# Allegro board A523-EVB-AXP717C-LPDDR4-4X-32X1-V1-0.brd (continued)
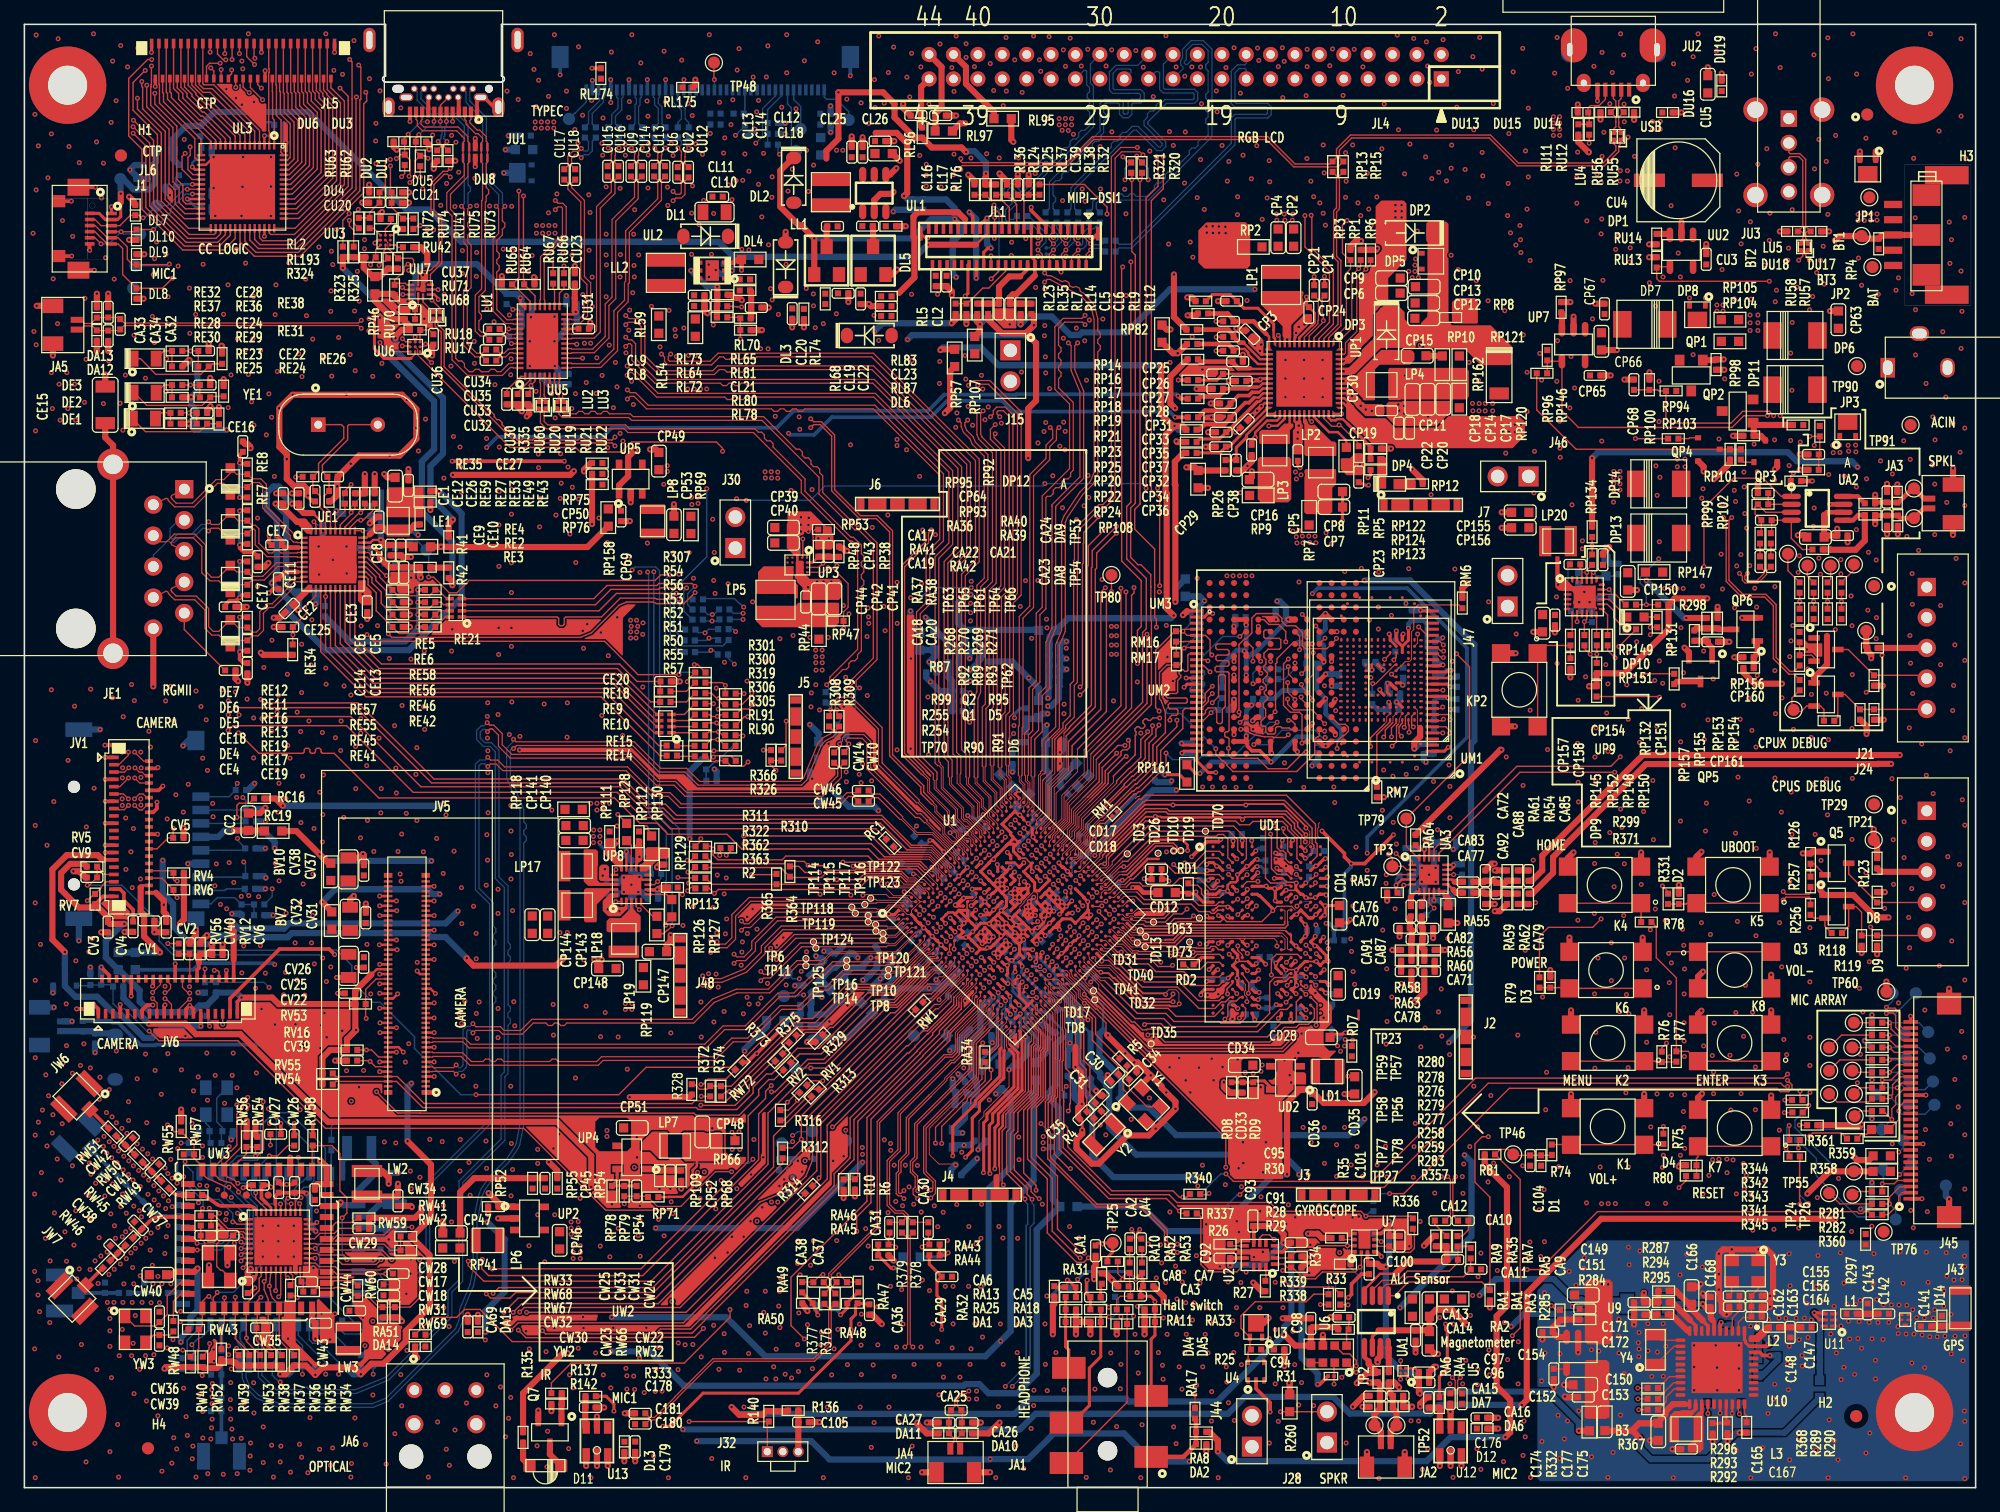
[diagram p0: board, top side]
## Routing (per net, layer and track width the routed paths; a pad name or vN(x,y) marks a point on that pad's centre or on a via; arc(x,y) is an arc through that point) (continued)
  vias: v1(0.71,102.87) v1(0.78,94.82) v1(0.84,24.08) v1(0.84,17.73) v1(0.84,11.38) v1(0.86,112.62) v1(0.91,86.66) v1(0.91,61.26) v1(0.89,54.31) v1(0.89,47.96) v1(0.89,41.61) v1(0.89,35.26) v1(0.89,28.91) v1(0.86,3.63) v1(0.89,0.81) v1(0.97,119.13) v1(0.97,106.43) v1(0.97,93.73) v1(1.14,110.03) v1(1.14,29.97) v1(1.12,16.97) v1(1.12,15.8) v1(1.24,14.43) v1(1.32,44.55) v1(1.4,25.83) v1(1.48,30.96) v1(1.73,20.45) v1(1.76,33.85) v1(1.93,107.42) v1(1.85,52.68) v1(1.85,28.02) v1(1.98,32.13) v1(2.11,18.59) v1(2.08,13.54) v1(2.21,111.02) v1(2.21,91.44) v1(2.21,65.43) v1(2.3,88.49) v1(2.34,30.58) v1(2.29,29.08) v1(2.36,99.14) v1(2.41,56.26) v1(2.46,22.53) v1(2.72,95.45) v1(2.69,26.95) v1(2.77,118.82) v1(2.84,90.49) v1(2.82,10.72) v1(2.93,87.54) v1(3,25.22) v1(3.12,103.91) v1(3.07,47.75) v1(3.07,33.12) v1(3.1,29.84) v1(3.15,34.8) v1(3.33,20.98) v1(3.43,45.31) v1(3.43,39.67) v1(3.48,91.44) v1(3.45,36.25) v1(3.45,18.57) v1(3.57,88.49) v1(3.58,59.64) v1(3.66,109.98) v1(3.94,33.99) v1(3.94,26.39) v1(3.96,102.62) v1(4.11,90.49) v1(4.11,64.08) v1(4.06,19.89) v1(4.2,87.54) v1(4.22,43.21) v1(4.22,22.71) v1(4.3,17.11) v1(4.5,108.66) v1(4.5,17.93) v1(4.6,34.62) v1(4.72,27.13) v1(4.67,11.73) v1(4.93,89) v1(4.88,36.4) v1(4.96,97.54) v1(5.05,92.53) v1(5.08,54.18) v1(5.05,2.11) v1(5.23,23.95) v1(5.28,43.94) v1(5.33,26.62) v1(5.33,22.05) v1(5.44,65.48) v1(5.41,34.42) v1(5.38,17.88) v1(5.46,25.7) v1(5.56,45.03) v1(5.66,119.23) v1(5.71,57.35) v1(5.84,26.21) v1(5.84,24.97) v1(5.79,18.59) v1(5.92,110.36) v1(5.94,9.68) v1(6.02,28.5) v1(6.05,16.74) v1(6.15,31.85) v1(6.12,20.5) v1(6.2,33.66) v1(6.32,105.77) v1(6.27,19) v1(6.48,108.62) v1(6.48,88.9) v1(6.53,28.8) v1(6.48,27.99) v1(6.6,23.92) v1(6.65,100.86) v1(6.73,30.76) v1(6.76,27.43) v1(6.81,25.27) v1(6.78,19.33) v1(6.8,15.19) v1(6.91,92.41) v1(6.93,17.48) v1(6.96,32.64) v1(6.96,28.37) v1(7.01,14.63) v1(7.01,13.87) v1(7.01,12.85) v1(7.01,11.58) v1(7.01,2.95) v1(7.11,111.96) v1(7.09,22.45) v1(7.14,9.02) v1(7.24,116.99) v1(7.21,64.77) v1(7.19,30.4) v1(7.16,27.05) v1(7.24,24.89) v1(7.34,27.99) v1(7.34,15.19) v1(7.37,99.11) v1(7.38,21.48) v1(7.37,17.91) v1(7.52,113.74) v1(7.54,35.81) v1(7.54,29.92) v1(7.47,20.45) v1(7.59,26.64) v1(7.62,24.54) v1(7.65,5.18) v1(7.72,27.61) v1(7.72,0.86) v1(7.85,88.93) v1(7.77,10.82) v1(7.9,118.26) v1(7.9,23.04) v1(7.87,18.34) v1(8.02,60.32) v1(8.03,58.2) v1(8.02,56.48) v1(8.03,55.95) v1(8,29.46) v1(8.03,20.57) v1(8.03,12.98) v1(8.08,86.72) v1(8.1,63.22) v1(8.05,59.03) v1(8.1,26.06) v1(8.05,24.08) v1(8.08,15.19) v1(8.15,27.18) v1(8.15,16.71) v1(8.28,91.24) v1(8.31,54.91) v1(8.32,50.7) v1(8.31,20.98) v1(8.41,29.06) v1(8.36,22.5) v1(8.36,18.77) v1(8.46,116.51) v1(8.53,31.65) v1(8.54,30.11) v1(8.53,25.68) v1(8.56,26.8) v1(8.74,52.15) v1(8.71,36.09) v1(8.74,21.29) v1(8.74,19.25) v1(8.79,65.86) v1(8.84,49.2) v1(8.84,15.19) v1(8.79,10.82) v1(8.94,54.05) v1(8.94,26.39) v1(8.92,25.22) v1(8.88,18.05) v1(8.92,11.84) v1(8.99,94.51) v1(9.02,64.54) v1(8.97,23.09) v1(8.97,16.71) v1(8.99,7.71) v1(9.09,19.63) v1(9.09,14.11) v1(9.25,33.53) v1(9.25,28.19) v1(9.37,26.01) v1(9.42,22.71) v1(9.45,9.7) v1(9.54,60.32) v1(9.54,56.48) v1(9.52,49.91) v1(9.5,24.69) v1(9.5,17.37) v1(9.58,59.03) v1(9.56,58.25) v1(9.55,55.97) v1(9.6,22.2) v1(9.58,20.04) v1(9.68,27.76) v1(9.65,15.19) v1(9.78,25.63) v1(9.93,90.98) v1(9.93,35.56) v1(9.93,10.82) v1(10.03,29.92) v1(9.96,20.45) v1(10.01,7.11) v1(10.11,27.38) v1(10.13,24.05) v1(10.21,62.03) v1(10.19,25.22) v1(10.35,60.73) v1(10.32,19.48) v1(10.39,20.88) v1(10.39,15.16) v1(10.49,96.05) v1(10.52,26.95) v1(10.49,18.24) v1(10.54,16.71) v1(10.57,99.47) v1(10.6,28.31) v1(10.62,24.77) v1(10.64,23.6) v1(10.62,10.9) v1(10.67,100.79) v1(10.67,93.9) v1(10.72,34.21) v1(10.85,102.16) v1(10.95,21.34) v1(10.95,17.32) v1(10.95,5.89) v1(11.02,24.33) v1(11,23.16) v1(11.07,15.16) v1(11.23,32.26) v1(11.28,16.71) v1(11.28,1.35) v1(11.4,23.93) v1(11.53,41.11) v1(11.53,26.21) v1(11.52,19.2) v1(11.61,101.14) v1(11.61,89.89) v1(11.58,64.52) v1(11.58,22.89) v1(11.64,20.57) v1(11.66,92.58) v1(11.71,54.84) v1(11.73,37.03) v1(11.68,28.14) v1(11.71,11.46) v1(11.79,97.66) v1(11.76,35.59) v1(11.76,25.76) v1(11.81,23.52) v1(11.79,21.49) v1(11.99,65.71) v1(12,26.92) v1(12.01,16.71) v1(12.12,25.37) v1(12.12,23.04) v1(12.09,2.01) v1(12.18,12.14) v1(12.24,4.09) v1(12.27,62.89) v1(12.42,56.82) v1(12.52,24.97) v1(12.49,3.17) v1(12.6,100.18) v1(12.8,14.45) v1(12.8,13.61) v1(12.88,34.26) v1(13.03,55.4) v1(13.11,110.57) v1(13.06,25.5) v1(13.06,8.15) v1(13.21,37.03) v1(13.26,5.82) v1(13.44,57.68) v1(13.36,4.28) v1(13.54,98.37) v1(13.54,41.08) v1(13.56,94.67) v1(13.74,29.87) v1(13.82,3.4) v1(13.77,2.36) v1(13.87,32.54) v1(13.87,31.01) v1(14.04,96.21) v1(14.07,65.33) v1(14.07,28.65) v1(14.07,0.86) v1(14.25,33.68) v1(14.27,23.37) v1(14.37,24.82) v1(14.36,7.66) v1(14.48,64.06) v1(14.62,59.82) v1(14.6,28.02) v1(14.61,27.08) v1(14.58,9.19) v1(14.63,6.25) v1(14.63,4.06) v1(14.66,100.33) v1(14.91,62.97) v1(15.01,58.82) v1(14.96,35.64) v1(15.01,31.78) v1(14.96,24.74) v1(15.04,1.14) v1(15.16,22.91) v1(15.34,4.9) v1(15.29,3.99) v1(15.44,56.11) v1(15.42,8.53) v1(15.37,8.03) v1(15.39,7.44) v1(15.39,6.88) v1(15.39,5.61) v1(15.47,55.02) v1(15.52,11.33) v1(15.54,10.36) v1(15.62,49.35) v1(15.65,33.81) v1(15.74,51.15) v1(15.85,24.43) v1(16,22.5) v1(15.95,21.34) v1(16.08,47.83) v1(16.21,65.43) v1(16.33,96.22) v1(16.31,1.09) v1(16.41,31.52) v1(16.51,21.97) v1(16.56,114.68) v1(16.56,22.48) v1(16.7,98.64) v1(16.71,88.57) v1(16.75,11.62) v1(16.75,10.9) v1(16.79,51.26) v1(16.79,27.97) v1(16.94,91.25) v1(16.92,8.61) v1(16.89,7.21) v1(16.89,6.45) v1(16.92,5.61) v1(17.04,33.81) v1(16.97,23.8) v1(16.96,9.73) v1(17.02,4.8) v1(17.12,35.64) v1(17.07,3.99) v1(17.17,49.63) v1(17.22,20.07) v1(17.35,113.94) v1(17.3,65.25) v1(17.39,101.56) v1(17.4,56.61) v1(17.42,32.79) v1(17.42,31.39) v1(17.45,1.14) v1(17.47,94.22) v1(17.48,22.5) v1(17.83,116.99) v1(17.83,113.41) v1(17.81,104.29) v1(17.78,48.49) v1(17.83,42.21) v1(17.78,4.04) v1(17.91,116.36) v1(17.93,109.12) v1(17.88,106.68) v1(17.98,44.42) v1(18.02,6.94) v1(18.14,100.42) v1(18.1,93.27) v1(18.26,64.67) v1(18.36,119.23) v1(18.36,91.29) v1(18.54,3.66) v1(18.52,2.59) v1(18.49,1.42) v1(18.63,89.05) v1(18.74,94.22) v1(18.82,113.64) v1(18.8,97.69) v1(18.82,87.13) v1(18.8,63.12) v1(18.8,59.84) v1(18.8,8.59) v1(18.82,6.12) v1(18.95,40.94) v1(19.02,34.01) v1(19.1,73.91) v1(19.2,48.46) v1(19.37,93.27) v1(19.35,44.45) v1(19.55,21.48) v1(19.55,20.21) v1(19.55,18.94) v1(19.63,67.26) v1(19.58,4.98) v1(19.58,2.06) v1(19.84,86.33) v1(19.76,42.19) v1(20.05,89.7) v1(20.02,31.06) v1(20.09,29.87) v1(20.22,109.12) v1(20.22,106.71) v1(20.22,104.29) v1(20.27,87.78) v1(20.29,69.49) v1(20.27,62.03) v1(20.27,3.48) v1(20.42,0.86) v1(20.5,82.93) v1(20.55,37.97) v1(20.63,98.64) v1(20.56,96.2) v1(20.57,51.21) v1(20.74,91.54) v1(20.72,63.6) v1(20.73,58.83) v1(20.83,65) v1(20.78,55.4) v1(20.82,21.48) v1(20.82,20.21) v1(20.82,18.94) v1(20.87,57.76) v1(20.88,49.76) v1(20.85,46.41) v1(21.03,3.4) v1(20.98,2.11) v1(21.28,62.87) v1(21.26,40.41) v1(21.44,56.51) v1(21.41,42.27) v1(21.46,47.12) v1(21.56,66.7) v1(21.6,60.86) v1(21.68,100.44) v1(21.69,38.99) v1(21.78,59.82) v1(21.82,1.27) v1(22.09,21.48) v1(22.09,20.21) v1(22.2,44.68) v1(22.23,38) v1(22.36,63.6) v1(22.35,41.63) v1(22.5,92.99) v1(22.61,47.96) v1(22.61,30.99) v1(22.56,3.56) v1(22.73,69.16) v1(22.73,65.2) v1(22.66,62) v1(22.68,54.54) v1(22.73,2.49) v1(22.76,91.11) v1(22.81,58.34) v1(22.76,56.82) v1(22.86,49.5) v1(22.99,40.39) v1(22.99,38.99) v1(23.06,99.11) v1(23.13,96.11) v1(23.14,37.24) v1(23.24,1.22) v1(23.33,62.87) v1(23.42,5.74) v1(23.5,67.46) v1(23.55,44.68) v1(23.64,94.19) v1(23.57,71.17) v1(23.65,46.91) v1(23.75,54.05) v1(23.67,50.32) v1(23.77,42.95) v1(24.15,101.74) v1(24.16,74.89) v1(24.22,57.04) v1(24.21,3.15) v1(24.33,37.92) v1(24.28,36.04) v1(24.43,61.93) v1(24.43,52.96) v1(24.36,14.27) v1(24.53,58.45) v1(24.47,55.19) v1(24.56,92.7) v1(24.61,38.91) v1(24.71,119.23) v1(24.71,67.21) v1(24.74,65.89) v1(24.77,41.5) v1(24.79,36.93) v1(25.14,98.14) v1(25.12,96.47) v1(25.12,42.7) v1(25.1,1.83) v1(25.17,101.4) v1(25.2,91.15) v1(25.29,100.3) v1(25.3,76.1) v1(25.27,3.25) v1(25.37,116.23) v1(25.45,14.25) v1(25.6,103.18) v1(25.77,94.32) v1(25.93,60.45) v1(25.97,62.87) v1(26.09,115.9) v1(26.06,37.47) v1(26.21,65.74) v1(26.19,54.97) v1(26.43,74.97) v1(26.42,34.19) v1(26.71,92.92) v1(26.77,65) v1(26.82,1.98) v1(26.77,0.86) v1(27.03,118.67) v1(27.08,96.49) v1(27.12,91.6) v1(27.1,5.71) v1(27.15,60.78) v1(27.17,57.32) v1(27.3,99.75) v1(27.43,32.84) v1(27.46,97.31) v1(27.61,70.66) v1(27.58,63.07) v1(27.58,61.87) v1(27.56,53.29) v1(27.81,34.21) v1(27.89,102.34) v1(27.89,101.6) v1(27.97,3.53) v1(28.07,59.21) v1(28.13,54.72) v1(28.09,44.55) v1(28.24,94.87) v1(28.3,115.54) v1(28.26,95.87) v1(28.4,40.49) v1(28.56,91.14) v1(28.57,7.59) v1(28.65,52.17) v1(28.83,111.89) v1(28.8,110.44) v1(28.83,108.58) v1(28.96,70.69) v1(29.08,61.47) v1(29.16,114.55) v1(29.16,95.96) v1(29.16,94.72) v1(29.23,55.34) v1(29.26,57.33) v1(29.51,28.35) v1(29.67,1.93) v1(29.92,68) v1(30.35,62.48) v1(30.45,28.26) v1(30.38,4.42) v1(30.45,59) v1(30.51,56.97) v1(30.63,91.17) v1(30.63,52.17) v1(30.81,50.32) v1(30.86,113.16) v1(30.94,53.59) v1(30.89,49.73) v1(30.86,9.27) v1(30.94,6.71) v1(30.97,64.15) v1(31.24,34.9) v1(31.32,55.3) v1(31.37,11.25) v1(31.65,25.96) v1(31.7,67.94) v1(31.72,24.51) v1(31.83,63.09) v1(32,89.66) v1(32.11,58.5) v1(32.18,60.68) v1(32.18,54.71) v1(32.21,43.08) v1(32.31,85.01) v1(32.44,25.45) v1(32.66,106.53) v1(32.74,64.03) v1(32.72,52.15) v1(32.79,95.86) v1(32.79,68.61) v1(32.82,62.18) v1(32.89,87.63) v1(33.12,0.86) v1(33.24,28.56) v1(33.32,107.47) v1(33.48,110.92) v1(33.81,53.24) v1(33.88,5.38) v1(34.14,105.16) v1(34.34,50.37) v1(34.26,28.37) v1(34.32,24.49) v1(34.42,97.85) v1(34.4,82.79) v1(34.37,23.14) v1(34.62,106.96) v1(34.57,55.17) v1(34.59,3.15) v1(34.82,13.21) v1(34.85,1.83) v1(35.03,110.9) v1(34.98,91.97) v1(35.03,68.61) v1(35.03,21.79) v1(35.08,70.38) v1(35.18,86.2) v1(35.23,52.2) v1(35.3,105.06) v1(35.27,18.55) v1(35.31,4.72) v1(35.38,110.34) v1(35.61,107.87) v1(35.64,38.86) v1(35.71,85.34) v1(35.74,28.55) v1(35.71,25.96) v1(35.76,83.69) v1(35.84,81.64) v1(35.84,49.2) v1(35.84,38.06) v1(35.92,101.45) v1(35.92,99.57) v1(35.86,46.25) v1(35.97,33.76) v1(36.12,39.88) v1(36.25,6.93) v1(36.45,26.67) v1(36.55,23.98) v1(36.83,47.68) v1(36.94,107.38) v1(36.88,94) v1(36.91,92.2) v1(37.04,45.45) v1(37.08,105.13) v1(37.08,101.3) v1(37.06,99.34) v1(37.05,43.37) v1(37.06,38.89) v1(37.13,36.83) v1(37.29,39.83) v1(37.85,28.42) v1(37.9,97.31) v1(37.92,96.66) v1(37.9,86.03) v1(37.92,53.54) v1(37.87,49.4) v1(37.9,26.19) v1(37.92,9.25) v1(37.99,64.37) v1(37.96,63.25) v1(37.97,61.47) v1(38,60.42) v1(38.01,58.63) v1(38.02,55.35) v1(37.97,51.46) v1(38.15,105.11) v1(38.46,107.65) v1(38.51,95.62) v1(38.58,90.45) v1(38.66,6.71) v1(38.84,63.4) v1(38.84,49.07) v1(38.84,47.09) v1(38.84,39.29) v1(38.84,36.91) v1(38.94,85.34) v1(38.94,81.71) v1(38.91,78.96) v1(38.91,75.55) v1(38.89,70.51) v1(38.89,68.33) v1(38.85,24.8) v1(38.96,83.62) v1(39.04,8.26) v1(39.27,101.57) v1(39.45,4.17) v1(39.57,114.53) v1(39.62,99.75) v1(39.7,5.69) v1(39.77,96.17) v1(39.77,61.76) v1(39.91,92.58) v1(39.88,91.26) v1(39.93,81.87) v1(39.93,79.83) v1(39.93,75.84) v1(39.93,73.41) v1(39.93,70.51) v1(39.93,68.99) v1(39.89,55.94) v1(39.9,53.85) v1(39.93,51.92) v1(39.9,49.91) v1(39.88,32.92) v1(39.93,28.22) v1(39.9,23.93) v1(39.88,7.39) v1(39.95,105.08) v1(39.95,83.64) v1(39.97,64.43) v1(40.03,47.32) v1(40.03,26.09) v1(40.13,39.85) v1(40.11,0.81) v1(40.21,37.87) v1(40.49,113.84) v1(40.63,61.61) v1(40.6,60.5) v1(41.12,12.83) v1(41.33,99.72) v1(41.44,94.01) v1(41.44,91.98) v1(41.38,19.84) v1(41.4,11.38) v1(41.48,117.6) v1(41.63,101.04) v1(41.79,116.31) v1(41.96,113.26) v1(41.96,89.91) v1(42.04,3.43) v1(42.06,86.76) v1(42.14,84.76) v1(42.09,27.74) v1(42.09,26.59) v1(42.09,22.38) v1(42.16,115.42) v1(42.16,83.64) v1(42.25,78.79) v1(42.27,81.11) v1(42.62,64.26) v1(42.67,18.52) v1(42.77,11.15) v1(42.85,1.7) v1(42.9,4.62) v1(42.98,114.1) v1(42.98,104.55) v1(43.23,89.7) v1(43.28,13.97) v1(43.36,39.62) v1(43.38,37.11) v1(43.38,27.81) v1(43.46,119.15) v1(43.47,96.04) v1(43.52,87.73) v1(43.48,22.38) v1(43.46,13.08) v1(43.59,79.76) v1(43.66,106.1) v1(43.84,28.98) v1(43.94,81.13) v1(43.92,45.52) v1(43.97,84.79) v1(44.02,82.37) v1(44.15,101.25) v1(44.45,114.53) v1(44.45,113.11) v1(44.52,64.36) v1(44.5,61.54) v1(44.52,45.53) v1(44.58,83.69) v1(44.63,3.2) v1(44.73,78.21) v1(44.7,9.25) v1(44.91,101.09) v1(44.88,88.49) v1(44.93,82.04) v1(45,19.81) v1(45,19.3) v1(45,18.79) v1(44.98,8.18) v1(45.14,111.38) v1(45.19,89.71) v1(45.21,75.87) v1(45.44,118.16) v1(45.39,110.29) v1(45.44,81.08) v1(45.42,11.43) v1(45.58,19.83) v1(45.58,19.3) v1(45.58,18.79) v1(45.77,112.55) v1(45.77,97.84) v1(45.78,70.26) v1(45.85,68.83) v1(45.82,25.3) v1(45.8,14) v1(45.85,13.08) v1(45.92,93.85) v1(45.87,43.28) v1(46.08,90.63) v1(46.06,39.48) v1(46.15,85.29) v1(46.15,70.82) v1(46.28,106.02) v1(46.38,104.57) v1(46.43,93.85) v1(46.51,113.77) v1(46.46,0.81) v1(46.56,99.27) v1(46.56,96.85) v1(46.68,53.93) v1(46.66,53.41) v1(46.66,52.9) v1(46.84,11.05) v1(46.94,92.66) v1(46.89,89.74) v1(47.11,79.51) v1(47.19,53.93) v1(47.19,53.41) v1(47.24,36.98) v1(47.22,19.81) v1(47.27,70.13) v1(47.35,63.32) v1(47.45,112.32) v1(47.36,110.25) v1(47.42,109.27) v1(47.37,91.21) v1(47.47,9.25) v1(47.62,38.96) v1(47.7,106.68) v1(47.7,102.79) v1(47.7,101.09) v1(47.73,100.28) v1(47.7,97.66) v1(47.83,85.29) v1(47.8,77.51) v1(47.88,68.22) v1(47.96,93.7) v1(48.03,20.7) v1(48.01,18.92) v1(48.13,117.73) v1(48.08,113.59) v1(48.08,8.18) v1(48.3,88.57) v1(48.29,13.11) v1(48.46,92.28) v1(48.59,90.27) v1(48.62,71.37) v1(48.59,54.25) v1(48.69,36.96) v1(48.69,21.26) v1(48.84,106.55) v1(48.84,99.29) v1(48.84,86.46) v1(48.87,101.12) v1(49.04,61.68) v1(49.08,85.82) v1(49.25,110.16) v1(49.28,109.27) v1(49.33,93.07) v1(49.33,9.78) v1(49.61,113.67) v1(49.56,112.37) v1(49.63,96.57) v1(49.56,94.92) v1(49.81,119.15) v1(49.78,90.73) v1(49.76,49.45) v1(49.89,97.99) v1(49.94,88.82) v1(50.04,104.8) v1(49.96,102.79) v1(49.99,100.23) v1(50.01,99.29) v1(50.34,20.68) v1(50.37,101.09) v1(50.44,10.59) v1(50.55,116.84) v1(50.47,23.11) v1(50.47,21.95) v1(50.5,18.97) v1(50.71,65.65) v1(50.83,7.8) v1(51,13.11) v1(51.05,113.72) v1(51.13,112.47) v1(51.13,106.58) v1(51.18,110.19) v1(51.16,109.3) v1(51.41,96.88) v1(51.59,2.59) v1(51.77,9.68) v1(51.99,22) v1(52.02,11.48) v1(52.43,82.28) v1(52.45,117.81) v1(52.45,20.65) v1(52.58,113.64) v1(52.73,106.65) v1(52.81,112.45) v1(52.76,105.16) v1(52.81,0.81) v1(52.86,96.55) v1(53.05,110.22) v1(53.01,37.29) v1(53.09,82.28) v1(53.19,109.25) v1(53.21,76.66) v1(53.47,92.76) v1(53.62,11.86) v1(53.59,9.68) v1(53.67,74.9) v1(53.9,117.07) v1(53.96,48.62) v1(54,46.1) v1(54.08,95.1) v1(54.41,113.51) v1(54.51,76.68) v1(54.71,104.52) v1(54.71,101.14) v1(54.76,112.52) v1(54.79,106.76) v1(54.86,74.57) v1(54.86,47.68) v1(55.04,110.2) v1(55.4,23.7) v1(55.47,39.83) v1(55.5,36.95) v1(55.5,10.72) v1(55.6,109.35) v1(55.7,105.56) v1(56.11,100.3) v1(56.13,99.29) v1(56.1,42.15) v1(56.16,119.15) v1(56.2,41.02) v1(56.34,101.14) v1(56.29,44.88) v1(56.27,43.89) v1(56.44,79.42) v1(56.36,2.39) v1(56.52,104.5) v1(56.49,95.35) v1(56.52,74.4) v1(56.46,47.57) v1(56.54,38.19) v1(56.52,13.31) v1(56.57,76.7) v1(56.63,73.33) v1(56.62,18.85) v1(56.74,65.57) v1(56.72,42.11) v1(56.69,22.86) v1(56.82,50.24) v1(56.77,45.49) v1(56.89,63.84) v1(56.9,41.05) v1(56.95,9.7) v1(57,113.61) v1(57.33,109.45) v1(57.43,110.69) v1(57.4,67.69) v1(57.38,48.69) v1(57.37,39.05) v1(57.38,12.62) v1(57.4,11.1) v1(57.48,45.42) v1(57.53,23.7) v1(57.55,50) v1(57.58,46.63) v1(57.73,106.83) v1(57.7,74.12) v1(57.66,19.28) v1(57.94,111.79) v1(57.89,26.99) v1(58.01,20.57) v1(58.09,113.82) v1(58.45,116.26) v1(58.4,81.1) v1(58.6,118.01) v1(58.65,9.63) v1(58.83,101.55) v1(58.83,43.92) v1(58.78,42.85) v1(58.88,44.75) v1(58.95,38.86) v1(58.98,20.57) v1(59.08,109.37) v1(59.23,16.1) v1(59.18,14.94) v1(59.16,0.81) v1(59.26,66.14) v1(59.26,46.81) v1(59.28,45.44) v1(59.26,40.21) v1(59.43,39.65) v1(59.39,11) v1(59.54,21.84) v1(59.46,13.28) v1(59.59,25.68) v1(59.72,47.45) v1(59.76,115.67) v1(59.82,28.55) v1(60.05,112.83) v1(60.07,45.8) v1(60.2,113.77) v1(60.2,106.88) v1(60.17,39.67) v1(60.4,40.15) v1(60.46,104.21) v1(60.5,22.99) v1(60.6,109.42) v1(60.58,27.09) v1(60.63,14.38) v1(60.84,115.68) v1(60.83,67.74) v1(60.76,16.1) v1(60.76,12.67) v1(60.86,42.62) v1(60.93,41.35) v1(60.96,118.24) v1(61.19,98.32) v1(61.32,107.49) v1(61.29,105.82) v1(61.32,97.41) v1(61.44,9.91) v1(61.57,87.86) v1(61.65,11.35) v1(61.62,8.92) v1(61.7,44.48) v1(61.67,43.31) v1(61.82,96.22) v1(61.85,14.88) v1(61.93,16.1) v1(61.95,69.62) v1(62,17.17) v1(61.95,13.13) v1(62.1,113.21) v1(62.23,45.11) v1(62.31,25.27) v1(62.51,119.15) v1(62.51,116.03) v1(62.46,100.33) v1(62.46,41.22) v1(62.61,106.32) v1(62.87,81.78) v1(62.97,108.13) v1(63.27,113.08) v1(63.42,20.24) v1(63.4,18.39) v1(63.4,11.73) v1(63.53,87.81) v1(63.5,14.33) v1(63.47,9.53) v1(63.58,86.79) v1(63.6,17.45) v1(63.68,79.58) v1(63.65,78.97) v1(63.68,78.41) v1(63.7,42.34) v1(63.78,25.91) v1(63.96,117.02) v1(64.14,109.68) v1(64.11,98.35) v1(64.14,43.94) v1(64.21,13.36) v1(64.29,106.3) v1(64.32,79.53) v1(64.29,78.94) v1(64.29,78.41) v1(64.25,73.84) v1(64.53,65.17) v1(64.5,64.03) v1(64.47,18.24) v1(64.58,81.85) v1(64.62,9.75) v1(64.69,97.89) v1(64.69,20.24) v1(64.85,95.12) v1(64.89,65.84) v1(65.05,118.57) v1(65,74.3) v1(65.2,63.78) v1(65.25,48.66) v1(65.3,11.71) v1(65.35,12.75) v1(65.53,74.3) v1(65.51,0.81) v1(65.84,49.83) v1(65.84,6.6) v1(65.95,61) v1(66.17,74.3) v1(66.19,9.25) v1(66.32,26.8) v1(66.4,116.03) v1(66.4,11.38) v1(66.57,96.27) v1(66.61,20.26) v1(66.7,12.98) v1(67.08,5.38) v1(67.16,72.34) v1(67.18,64.05) v1(67.18,27.18) v1(67.34,66.45) v1(67.44,113.87) v1(67.39,58.7) v1(67.4,57.89) v1(67.49,10.08) v1(67.74,85.52) v1(67.77,48.59) v1(68.5,60.99) v1(68.48,13.41) v1(68.53,6.6) v1(68.61,113.56) v1(68.61,57.81) v1(68.63,14.22) v1(68.61,11.68) v1(68.63,9.27) v1(68.73,59.33) v1(68.72,27.33) v1(68.99,21.23) v1(69.1,69.8) v1(69.11,64.95) v1(69.24,111.89) v1(69.17,72.14) v1(69.24,70.88) v1(69.19,19.81) v1(69.44,22.56) v1(69.44,3.3) v1(69.52,78.74) v1(69.47,57.96) v1(69.47,18.01) v1(69.6,10.06) v1(69.7,115.47) v1(69.75,113.18) v1(69.67,96.14) v1(69.67,5.33) v1(69.94,14.83) v1(69.98,11.71) v1(70.05,119.05) v1(70.05,94.08) v1(70.51,113.54) v1(70.48,72.26) v1(70.51,28.52) v1(70.57,70.28) v1(70.84,116.05) v1(70.8,79.77) v1(70.82,22.56) v1(70.89,6.6) v1(71.04,27.66) v1(71.02,16.51) v1(71.27,118.14) v1(71.32,26.44) v1(71.32,9.12) v1(71.45,23.47) v1(71.51,11.52) v1(71.55,74.24) v1(71.57,70.88) v1(71.55,60.5) v1(71.65,5.41) v1(71.93,16.24) v1(72.01,23.11) v1(72.03,13.41) v1(72.24,26.44) v1(72.34,85.12) v1(72.36,115.67) v1(72.54,24.66) v1(72.49,0.81) v1(72.59,114.05) v1(72.75,117.63) v1(72.75,97.87) v1(72.67,72.98) v1(72.7,67.99) v1(72.67,60.6) v1(72.77,92.43) v1(72.8,3.4) v1(72.92,23.24) v1(72.95,10.11) v1(73.23,26.42) v1(73.28,78.15) v1(73.42,109.25) v1(73.41,82.93) v1(73.51,116.51) v1(73.54,22.6) v1(73.53,11.53) v1(73.56,74.14) v1(73.63,17.02) v1(73.84,24.66) v1(73.95,106.74) v1(74.09,64.84) v1(74.14,60.12) v1(74.22,16.15) v1(74.5,13.41) v1(74.61,23.11) v1(74.7,78.15) v1(74.88,97.87) v1(74.89,21.4) v1(74.88,11.96) v1(75.03,90.55) v1(75.01,10.11) v1(74.99,7.61) v1(75.08,118.39) v1(75.06,92.35) v1(75.17,106.65) v1(75.34,22.58) v1(75.36,9.06) v1(75.69,20.27) v1(76.05,116.46) v1(76.15,16.51) v1(76.15,13.42) v1(76.07,11.46) v1(76.23,114.5) v1(76.23,109.35) v1(76.17,107.67) v1(76.4,119.05) v1(76.38,106.61) v1(76.37,86.95) v1(76.46,88.14) v1(76.45,23.22) v1(76.86,27.51) v1(77.03,34.42) v1(77.22,118.41) v1(77.22,117.3) v1(77.19,90.91) v1(77.17,19.71) v1(77.38,88.67) v1(77.44,21.41) v1(77.42,16.51) v1(77.55,10.11) v1(77.62,109.04) v1(77.64,74.33) v1(77.59,71.75) v1(77.58,71.08) v1(77.62,11.38) v1(77.75,87.13) v1(77.9,116.54) v1(77.94,13.42) v1(78.08,7.92) v1(78.08,7.27) v1(78.44,20.45) v1(78.48,91.22) v1(78.49,23.24) v1(78.59,90.09) v1(78.56,12.34) v1(78.77,87.58) v1(78.91,109.4) v1(79.04,88.63) v1(79.2,116.79) v1(79.48,114.58) v1(79.54,102.45) v1(79.65,0.81) v1(79.94,109.04) 